# KiCad board Eclipse65.kicad_pcb (continued)
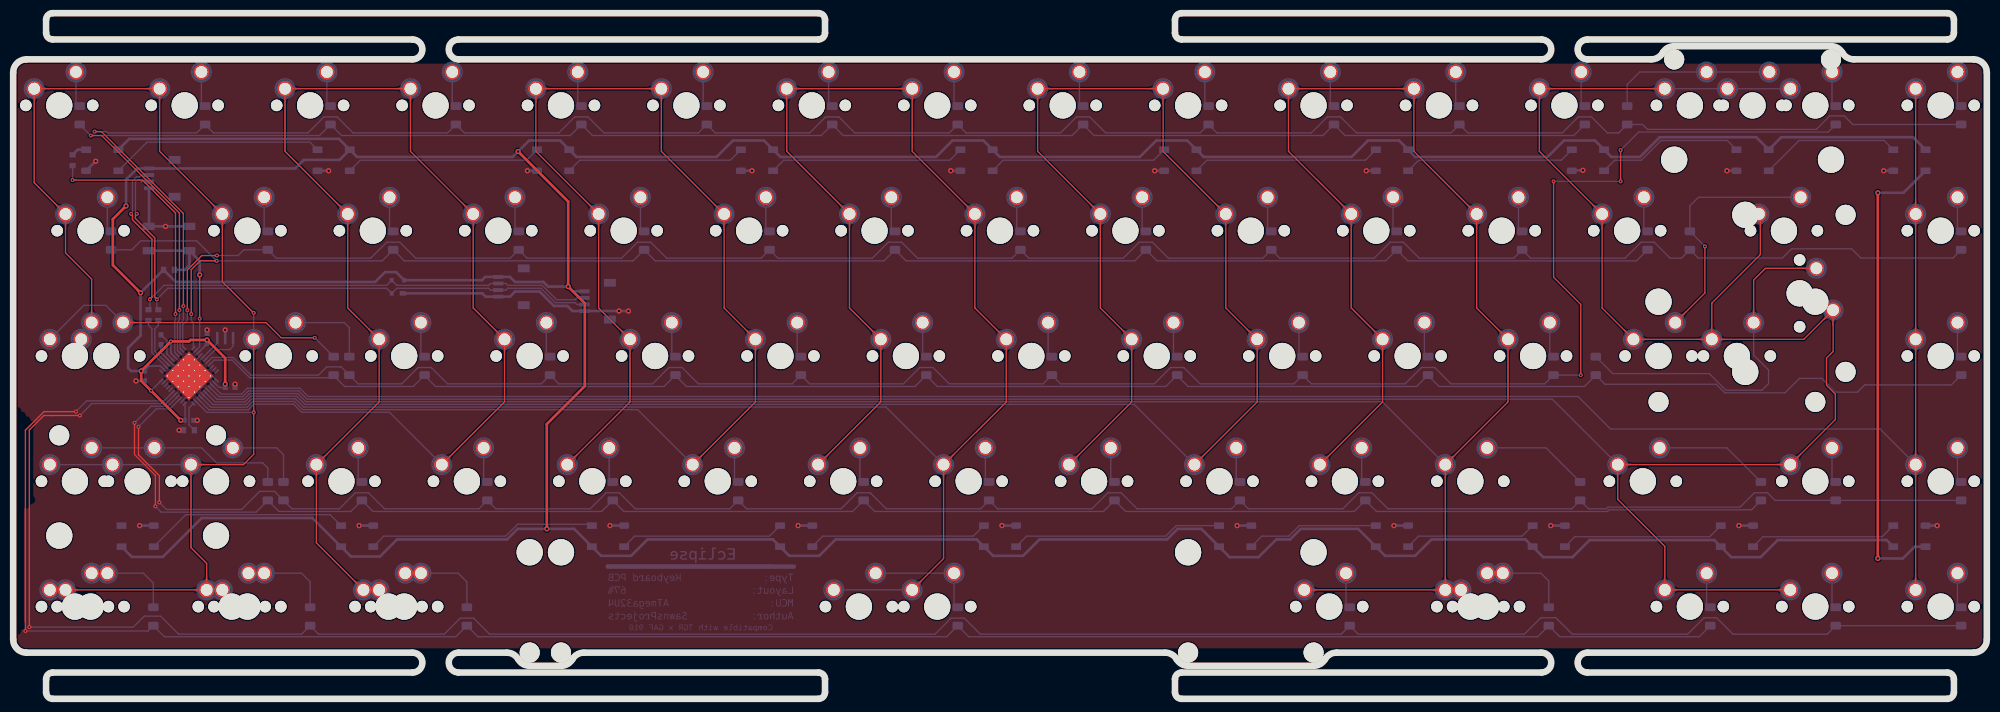
[diagram p0: board, top side]
## Nets (continued)
Net-(RGB1-Pad2): RGB1.2 RGB2.4
Net-(RGB2-Pad2): RGB2.2 RGB3.4
Net-(RGB3-Pad2): RGB3.2 RGB4.4
Net-(RGB4-Pad2): RGB4.2 RGB5.4
Net-(RGB5-Pad2): RGB5.2 RGB6.4
Net-(RGB6-Pad2): RGB6.2 RGB7.4
Net-(RGB7-Pad2): RGB7.2 RGB8.4
Net-(RGB8-Pad2): RGB8.2 RGB9.4
Net-(RGB10-Pad2): RGB10.2
Net-(RGB10-Pad4): RGB10.4 RGB11.2
Net-(RGB11-Pad4): RGB11.4 RGB12.2
Net-(RGB12-Pad4): RGB12.4 RGB13.2
Net-(RGB13-Pad4): RGB13.4 RGB14.2
Net-(RGB14-Pad4): RGB14.4 RGB15.2
Net-(RGB15-Pad4): RGB15.4 RGB16.2
Net-(RGB16-Pad4): RGB16.4 RGB17.2
Net-(RGB17-Pad4): RGB17.4 RGB18.2
Net-(RGB18-Pad4): RGB18.4 RGB20.2
Net-(RGB19-Pad2): RGB19.2 RGB20.4
Net-(RGB19-Pad4): RGB9.2 RGB19.4
Net-(U1-Pad1): U1.1
Net-(U1-Pad16): U1.16 Y1.3
Net-(U1-Pad17): U1.17 Y1.1
Net-(U1-Pad20): U1.20
Net-(U1-Pad21): U1.21
Net-(U1-Pad22): U1.22
Net-(U1-Pad40): U1.40
Net-(U1-Pad41): U1.41
Net-(U1-Pad42): U1.42

## Via types
v1: diameter 0.6, hole 0.3, Top to Bottom, 33 vias
v2: diameter 0.8, hole 0.4, Top to Bottom, 41 vias

## Routing (per net, layer and track width the routed paths; a pad name or vN(x,y) marks a point on that pad's centre or on a via; arc(x,y) is an arc through that point)
+5V: length 840.2
  Top w0.4: v2(32.2,47.84) 32.2,51.81 v2(29.45,54.56) 26.92,54.56 26.7,54.34 v1(23.95,54.34) v2(19.45,49.84) 19.45,48.34 v1(20.95,46.84) v2(25.45,42.34) ; v2(81.05,25.84) 81.05,41.77 86.83,47.55 86.83,60.14 v2(84.29,62.67) 84.29,75.6 v2(76.68,83.21) ; v2(19.34,61.74) 15.14,65.94 15.14,72.94 v2(17.14,74.94)
  Bottom w0.2: v1(20.95,46.84) 22.57,48.47 22.57,48.5 ; U1.24 31.28,47.34 C3.2 ; 26.11,44.97 26.11,42.25
  Bottom w0.25: U1.14 29.45,53.97 ; C2.2 20.7,50.59 22.37,50.59 22.93,50.04 ; 24.69,51.81 23.95,52.55 v1(23.95,54.34) ; C5.2 v2(29.45,54.56)
  Bottom w0.4: v2(17.14,74.94) 17.14,78.94 18.84,80.64 J2.1 42.84,80.64 44.14,81.94 49.57,81.94 RGB2.1 ; RGB20.1 284.54,24.14 267.99,24.14 265.39,21.54 260.94,21.54 RGB18.1 258.34,24.14 239.42,24.14 236.82,21.54 232.37,21.54 RGB17.1 229.67,24.24 215.41,24.24 212.91,21.74 208.36,21.74 RGB16.1 204.26,25.84 195.55,25.84 193.95,24.24 191.84,24.24 189.14,21.54 184.74,21.54 RGB15.1 180.44,25.84 176.85,25.84 175.25,24.24 155.87,24.24 153.38,21.74 148.83,21.74 RGB14.1 146.33,24.24 124.92,24.24 122.42,21.74 117.87,21.74 RGB13.1 115.37,24.24 96.34,24.24 93.84,21.74 89.29,21.74 RGB12.1 85.19,25.84 v2(81.05,25.84) 76.61,25.84 75.01,24.24 58.31,24.24 55.71,21.64 51.29,21.64 RGB11.1 45.44,27.49 28.64,27.49 22.73,21.57 18.02,21.57 RGB10.1 ; R4.1 24.69,63.37 54.97,63.37 56.48,64.87 58.16,64.87 U2.4 71.2,63.65 71.7,64.15 J3.1 75.45,64.15 76.23,63.37 80.55,63.37 81.25,62.67 v2(84.29,62.67) 85.01,61.96 J1.1 ; C4.2 v2(25.45,42.34) ; 22.83,65.22 v2(19.34,61.74) 19.34,55.24 17.45,53.34 17.45,50.3 17.9,49.84 v2(19.45,49.84) C2.2 ; RGB2.1 52.22,82.39 75.86,82.39 v2(76.68,83.21) 78.36,84.89 83.06,84.89 RGB3.1 85.56,82.39 106.82,82.39 109.32,84.89 114.02,84.89 RGB4.1 116.52,82.39 140.16,82.39 142.66,84.89 147.35,84.89 RGB5.1 149.85,82.39 171.11,82.39 173.61,84.89 178.31,84.89 RGB6.1 180.81,82.39 203.26,82.39 205.76,84.89 210.46,84.89 RGB7.1 212.96,82.39 233.03,82.39 235.53,84.89 240.22,84.89 RGB8.1 242.72,82.39 247.07,82.39 250.07,85.39 264.72,85.39 RGB9.1 268.53,85.39 288.54,85.39 RGB19.1 ; RGB2.1 49.47,85.14 17.62,85.14 RGB1.1 ; v2(32.2,47.84) C3.2
GND: length 113.8
  Bottom w0.2: U1.45 23.87,49.09 U1.43 ; U1.45 26.7,46.27 U1.35 ; U1.45 30.24,49.09 U1.23 ; U1.45 25.99,49.09 U1.5 ; U1.45 26.7,50.51 U1.15
  Bottom w0.25: C1.2 22.45,52.64 23.99,51.1
  Bottom w0.3: Y1.2 v2(32.2,56.09) ; C5.1 v2(29.45,56.09)
  Bottom w0.4: RGB9.3 v2(260.28,80.29) ; RGB7.3 v2(205.51,80.29) ; RGB6.3 v2(173.36,80.29) ; RGB5.3 v2(142.4,80.29) ; RGB3.3 v2(78.11,80.29) ; SW1.1 v2(23.14,71.83) SW1.1 ; RGB2.3 v2(47.91,80.29) ; RGB19.3 v2(284.09,80.29) ; RGB18.3 v2(262.09,26.34) ; RGB17.3 v2(233.52,26.34) ; RGB16.3 v2(209.7,26.34) ; RGB15.3 v2(185.89,26.34) ; RGB14.3 v2(150.17,26.34) ; RGB13.3 v2(119.22,26.34) ; RGB12.3 v2(90.64,26.34) ; RGB10.3 v2(19.2,26.34) ; 236.71,80.36 v2(238.4,80.36) ; v2(93.44,58.96) v2(92.01,58.96) J1.4 84.94,58.96 84.17,59.73 82.14,59.73 79.95,61.92 76.23,61.92 75.45,61.15 J3.4 71.75,61.15 71.25,61.65 U2.1 ; J2.4 20.64,71.65 ; C2.1 v2(18.65,48.34) ; RGB20.3 v2(292.19,26.34) ; RGB1.3 v2(12.53,81.74) ; 25.88,40.84 v2(25.2,40.84) ; C3.1 v2(33.7,47.84) ; C4.1 v2(27.95,42.34) ; RGB11.3 v2(52.54,26.34) ; RGB4.3 v2(112.21,80.29)
/M+: length 7.8
  Bottom w0.2: U1.4 23.53,50.82 21.52,52.83 21.52,56.28 22.04,56.8 R2.1 ; 23.6,50.75 23.63,50.75
/M-: length 8.2
  Bottom w0.2: R3.2 20.54,56.8 21.07,56.28 21.07,52.64 23.21,50.5 U1.3 ; 23.28,50.43 23.28,50.39
C0: length 202.3
  Top w0.2: MX80.1 MX67.1 29.38,20.59 27,22.97 MX50.1 34.97,35.61 36.53,37.17 v1(36.53,43.54) MX34.1 ; MX65.2 11.92,63.83 7.95,67.8 MX17.1 3.19,78.48 MX1.1 MX2.1 22.24,83.24 MX18.1 31.77,63.43 v1(36.53,58.67)
  Bottom w0.2: MX49.1 MX31.1 MX50.1 ; U1.32 29.42,43.54 v1(36.53,43.54) ; MX34.1 v1(36.53,58.67)
C1: length 217
  Top w0.2: MX68.1 46.05,23.71 MX51.1 55.58,45.14 MX35.1 50.82,59.43 50.82,73.71 41.29,83.24 MX3.1 MX4.1 60.34,83.24 MX20.1 69.87,59.43 MX36.1 74.63,45.14 MX52.1
  Bottom w0.2: MX52.1 57.15,43.57 43.81,43.57 42.56,44.82 36.57,44.82 35.69,43.94 29.73,43.94 U1.31
C2: length 232.9
  Top w0.2: MX53.1 93.68,45.14 MX37.1 88.92,59.43 MX21.1 79.39,83.24 MX5.1 MX6.1 98.44,83.24 MX22.1 107.97,59.43 MX38.1 112.73,45.14 MX54.1
  Bottom w0.2: U1.30 30.04,44.34 35.53,44.34 36.4,45.22 42.72,45.22 43.97,43.97 94.85,43.97 MX54.1
C3: length 303.7
  Top w0.2: MX55.1 131.78,45.14 MX39.1 127.02,59.43 MX23.1 117.49,83.24 MX7.1 MX8.1 136.54,83.24 MX24.1 146.07,59.43 MX40.1 150.83,45.14 MX56.1 141.3,21.33 MX79.1
  Bottom w0.2: U1.29 30.34,44.74 35.36,44.74 36.24,45.62 42.89,45.62 44.14,44.37 132.55,44.37 MX56.1 ; MX70.1 MX79.1
C4: length 308.6
  Top w0.2: MX58.1 188.93,45.14 MX42.1 184.17,59.43 MX26.1 174.64,83.24 MX10.1 MX9.1 155.59,83.24 MX25.1 165.12,59.43 MX41.1 169.88,45.14 MX57.1
  Bottom w0.2: MX58.1 170.25,44.77 44.31,44.77 43.06,46.02 36.07,46.02 35.2,45.14 30.65,45.14 U1.28
C5: length 387
  Top w0.2: MX59.1 207.98,45.14 MX43.1 203.22,59.43 MX27.1 193.69,83.24 MX11.1 MX12.1 212.74,83.24 MX28.1 222.27,59.43 MX44.1 227.03,45.14 MX60.1 MX16.1 MX64.1
  Bottom w0.2: MX60.1 207.95,45.17 44.47,45.17 43.22,46.42 35.91,46.42 35.03,45.54 30.96,45.54 U1.27
C6: length 450.4
  Top w0.2: MX14.1 MX13.1 231.79,83.24 MX29.1 241.32,59.43 MX83.1 MX45.1 ; MX45.1 257.98,60.18 265.36,67.55 265.36,73.71 ; MX45.1 271.95,54.66 MX84.2 276.4,52.8 275.4,51.8 275.4,47.67 276.75,46.32 276.75,42.47 MX63.1 MX62.1 243.7,30.33 250.84,23.18 MX72.1 MX71.1
  Bottom w0.2: MX14.1 MX46.1 MX15.1 ; MX62.1 233.74,45.57 44.64,45.57 43.39,46.82 35.74,46.82 34.87,45.94 31.26,45.94 U1.26
C7: length 340.7
  Top w0.2: MX86.1 MX90.1 MX89.1 MX88.1 MX85.1
  Bottom w0.2: MX90.1 283.53,41.02 242.6,41.02 237.66,45.97 44.8,45.97 43.55,47.22 35.57,47.22 34.7,46.34 31.57,46.34 U1.25
D+: length 90.9
  Top w0.2: v1(21.82,60.74) 21.52,61.04 21.52,70.08 18.57,73.03 18.57,73.54 v1(18.77,73.74)
  Bottom w0.2: R2.2 21.82,59.39 v1(21.82,60.74) 23.5,62.42 56.71,62.42 U2.2 58.26,62.42 72.22,62.42 72.5,62.15 J3.3 74.82,62.15 75.1,62.42 80.16,62.42 82.35,60.23 85.32,60.23 85.6,59.96 J1.3 ; v1(18.77,73.74) 18.57,73.94 18.57,78.55 18.94,78.92 19.2,78.92 19.48,78.64 J2.3
D-: length 92.8
  Top w0.2: v1(17.92,73.74) 18.12,73.54 18.12,72.85 21.07,69.9 21.07,61.04 v1(20.77,60.74)
  Bottom w0.2: J2.2 19.48,79.64 19.2,79.37 18.75,79.37 18.12,78.73 18.12,73.94 v1(17.92,73.74) ; J1.2 85.6,60.96 85.32,60.68 82.53,60.68 80.34,62.87 75.1,62.87 74.82,63.15 J3.2 72.5,63.15 72.22,62.87 58.26,62.87 U2.3 56.71,62.87 22.9,62.87 v1(20.77,60.74) 20.77,59.39 R3.1
R0: length 276.9
  Top w0.2: v1(11.78,85.64) 13.44,85.64 25.25,73.83 v1(25.25,59.09)
  Bottom w0.2: D13.1 237.01,85.64 202.28,85.64 D11.1 198.91,85.64 164.18,85.64 D9.1 160.81,85.64 126.08,85.64 D7.1 122.71,85.64 87.98,85.64 D5.1 84.61,85.64 49.88,85.64 D3.1 46.51,85.64 v1(11.78,85.64) D1.1 ; v1(25.25,59.09) 25.25,57.53 24.95,57.23 24.95,52.97 U1.9
R1: length 344.2
  Top w0.2: v1(25.85,59.69) 25.85,73.8 13.41,86.24 v1(12.35,86.24)
  Bottom w0.2: D31.1 279.4,87.32 278.1,88.62 275.9,88.62 273.85,86.58 248.2,86.58 247.45,87.32 D14.1 243.84,86.04 242.13,86.04 239.7,88.47 237.7,88.47 235.26,86.04 220.93,86.04 D12.1 218.36,86.04 204.03,86.04 201.6,88.47 199.6,88.47 197.16,86.04 182.83,86.04 D10.1 180.26,86.04 165.93,86.04 163.5,88.47 161.5,88.47 159.06,86.04 144.73,86.04 D8.1 142.16,86.04 127.83,86.04 125.4,88.47 123.4,88.47 120.96,86.04 106.63,86.04 D6.1 104.06,86.04 89.73,86.04 87.3,88.47 85.3,88.47 82.86,86.04 68.53,86.04 D4.1 65.96,86.04 51.63,86.04 49.2,88.47 47.2,88.47 44.76,86.04 30.43,86.04 D2.1 27.86,86.04 14.36,86.04 14.16,86.24 v1(12.35,86.24) ; U1.10 25.35,53.27 25.35,57.06 25.85,57.56 v1(25.85,59.69)
R2: length 259.4
  Top w0.2: v1(27.05,58.49) 27.05,65.24 28.4,66.59 v1(30.91,66.59)
  Bottom w0.2: D29.1 246.54,66.59 211.81,66.59 D27.1 208.44,66.59 173.71,66.59 D25.1 170.34,66.59 135.61,66.59 D23.1 132.24,66.59 97.51,66.59 D21.1 94.14,66.59 59.41,66.59 D19.1 56.04,66.59 v1(30.91,66.59) 27.88,69.62 19.38,69.62 18.03,68.27 D17.1 ; v1(27.05,58.49) 27.05,57.54 27.36,57.23 U1.12
R3: length 303.7
  Top w0.2: v1(26.45,59.09) 26.45,65.21 28.64,67.4 v1(30.95,67.4)
  Bottom w0.2: D32.1 294.6,67.02 280.6,67.02 279.2,68.42 270.1,68.42 268.7,67.02 255.9,67.02 D30.1 253.37,66.99 251.66,66.99 249.22,69.42 247.22,69.42 244.79,66.99 230.46,66.99 D28.1 227.89,66.99 213.56,66.99 211.12,69.42 209.12,69.42 206.69,66.99 192.36,66.99 D26.1 189.79,66.99 175.46,66.99 173.02,69.42 171.02,69.42 168.59,66.99 154.26,66.99 D24.1 151.69,66.99 137.36,66.99 134.92,69.42 132.92,69.42 130.49,66.99 116.16,66.99 D22.1 113.59,66.99 99.26,66.99 96.82,69.42 94.82,69.42 92.39,66.99 78.06,66.99 D20.1 75.49,66.99 61.16,66.99 58.72,69.42 56.72,69.42 54.29,66.99 39.96,66.99 D18.1 35.03,68.27 34.15,67.4 v1(30.95,67.4) ; U1.11 25.75,53.58 25.75,56.89 26.45,57.59 v1(26.45,59.09)
R4: length 279.9
  Bottom w0.2: 214.86,49.17 216.54,47.49 238.63,47.49 D45.1 241.76,47.82 258.66,47.82 259.96,46.52 269.1,46.52 271.3,48.72 274.7,48.72 276.8,46.62 280.1,46.62 281.2,47.72 294.35,47.72 D46.1 ; 62.46,49.17 64.14,47.49 98.85,47.49 D37.1 ; 48.65,49.17 50.33,47.49 60.75,47.49 D35.1 ; 100.56,49.17 102.24,47.49 136.95,47.49 D39.1 ; 138.66,49.17 140.34,47.49 175.05,47.49 D41.1 ; 176.76,49.17 178.44,47.49 213.15,47.49 D43.1 ; U1.19 30.53,51.51 33.24,51.51 35.93,48.82 48.58,48.82
R5: length 307.2
  Top w0.2: v1(233.95,78.67) 233.95,64.1 238.08,59.97 v1(238.08,49.22) ; v1(244.13,83.42) v1(244.13,78.67)
  Bottom w0.2: D15.1 275.65,86.17 246.88,86.17 v1(244.13,83.42) ; v1(244.13,78.67) v1(233.95,78.67) ; U1.18 30.22,51.91 33.41,51.91 36.1,49.22 46.37,49.22 47.63,50.47 49.8,50.47 D34.1 52.39,47.89 59,47.89 61.49,50.37 63.49,50.37 65.97,47.89 80.2,47.89 D36.1 82.87,47.89 97.1,47.89 99.59,50.37 101.59,50.37 104.07,47.89 118.3,47.89 D38.1 120.97,47.89 135.2,47.89 137.69,50.37 139.69,50.37 142.17,47.89 156.4,47.89 D40.1 159.07,47.89 173.3,47.89 175.79,50.37 177.79,50.37 180.27,47.89 194.5,47.89 D42.1 197.17,47.89 211.4,47.89 213.89,50.37 215.89,50.37 218.37,47.89 232.6,47.89 D44.1 v1(238.08,49.22)
R6: length 275.5
  Top w0.2: v1(21.61,29.26) 21.61,33.97 18.43,37.14 v1(18.43,41.96)
  Bottom w0.2: v1(18.43,41.96) 20.96,44.49 23.51,44.49 U1.37 ; v1(21.61,29.26) 22.48,28.39 36.89,28.39 D49.1 40.36,28.49 51.28,28.49 D51.1 54.65,28.49 89.38,28.49 D53.1 92.75,28.49 127.48,28.49 D55.1 130.85,28.49 165.58,28.49 D57.1 168.95,28.49 203.68,28.49 D59.1 207.05,28.49 242.13,28.49 242.38,28.74 264.01,28.74 D62.1
R7: length 314.1
  Top w0.2: v1(22.21,29.86) 22.21,33.94 19.03,37.11 v1(19.03,41.36)
  Bottom w0.2: v1(22.21,29.86) 23.28,28.79 34.69,28.79 37.44,31.54 39.69,31.54 D50.1 42.34,28.89 49.53,28.89 51.96,31.32 53.96,31.32 56.4,28.89 70.73,28.89 D52.1 73.3,28.89 87.63,28.89 90.06,31.32 92.06,31.32 94.5,28.89 108.83,28.89 D54.1 111.4,28.89 125.73,28.89 128.16,31.32 130.16,31.32 132.6,28.89 146.93,28.89 D56.1 149.5,28.89 163.83,28.89 166.26,31.32 168.26,31.32 170.7,28.89 185.03,28.89 D58.1 187.6,28.89 201.93,28.89 204.36,31.32 206.36,31.32 208.8,28.89 236.7,28.89 D60.1 239.27,28.89 241.96,28.89 242.21,29.14 262.26,29.14 264.45,31.32 266.45,31.32 267.6,30.17 D63.1 D47.1 ; v1(19.03,41.36) 21.76,44.09 23.82,44.09 U1.36
R8: length 317.2
  Top w0.2: v1(9.53,43.67) 4.69,43.67 1.86,40.84 v1(1.86,10.31)
  Bottom w0.2: v1(9.53,43.67) 11.14,45.29 22.9,45.29 U1.39 ; v1(1.86,10.31) 20.47,10.31 D65.1 22.97,9.44 67.23,9.44 D67.1 70.6,9.44 141.76,9.44 D69.1 145.13,9.44 231.53,9.44 D68.1 234.9,9.44 256.06,9.44 D71.1
R9: length 360.4
  Top w0.2: v1(10.13,43.07) 4.66,43.07 2.46,40.88 v1(2.46,10.91)
  Bottom w0.2: v1(10.13,43.07) 11.94,44.89 23.21,44.89 U1.38 ; D48.1 D72.1 275.5,9.82 261.2,9.82 258.7,12.32 256.8,12.32 254.32,9.84 236.78,9.84 234.3,12.32 232,12.32 229.52,9.84 204.26,9.84 D16.1 201.7,9.84 146.88,9.84 144.45,12.27 142.45,12.27 140.01,9.84 72.35,9.84 69.91,12.27 67.91,12.27 65.48,9.84 46.38,9.84 D66.1 43.82,9.84 25.12,9.84 22.38,12.57 19.91,12.57 18.24,10.91 v1(2.46,10.91)
RGB: length 2.4
  Bottom w0.4: RGB1.4 9.8,83.49 R5.2
Net-(C1-Pad1): length 4.7
  Bottom w0.2: 24.34,51.45 23.35,52.44 23.35,54.44 C1.1
Net-(D1-Pad2): length 5.3
  Bottom w0.2: MX1.2 9.54,90.04
Net-(D2-Pad2): length 5.3
  Bottom w0.2: MX2.2 28.59,90.04
Net-(D3-Pad2): length 5.3
  Bottom w0.2: MX3.2 47.64,90.04
Net-(D4-Pad2): length 5.3
  Bottom w0.2: MX4.2 66.69,90.04
Net-(D5-Pad2): length 5.3
  Bottom w0.2: MX5.2 85.74,90.04
Net-(D6-Pad2): length 5.3
  Bottom w0.2: MX6.2 104.79,90.04
Net-(D7-Pad2): length 5.3
  Bottom w0.2: MX7.2 123.84,90.04
Net-(D8-Pad2): length 5.3
  Bottom w0.2: MX8.2 142.89,90.04
Net-(D9-Pad2): length 5.3
  Bottom w0.2: MX9.2 161.94,90.04
Net-(D10-Pad2): length 5.3
  Bottom w0.2: MX10.2 180.99,90.04
Net-(D11-Pad2): length 5.3
  Bottom w0.2: MX11.2 200.04,90.04
Net-(D12-Pad2): length 5.3
  Bottom w0.2: MX12.2 219.09,90.04
Net-(D13-Pad2): length 5.3
  Bottom w0.2: MX13.2 238.14,90.04
Net-(D14-Pad2): length 25.7
  Bottom w0.2: MX46.2 MX14.2 247.03,95.3 245.13,93.4 D14.2
Net-(D15-Pad2): length 5.3
  Bottom w0.2: MX15.2 276.24,90.04
Net-(D16-Pad2): length 5.1
  Bottom w0.2: MX64.2 202.42,14
Net-(D17-Pad2): length 5.3
  Bottom w0.2: MX17.2 14.3,70.98
Net-(D18-Pad2): length 5
  Bottom w0.2: MX18.2 38.12,71.27
Net-(D19-Pad2): length 5
  Bottom w0.2: MX19.2 57.17,71.27
Net-(D20-Pad2): length 5
  Bottom w0.2: MX20.2 76.22,71.27
Net-(D21-Pad2): length 5
  Bottom w0.2: 95.27,76.25 95.27,71.27
Net-(D22-Pad2): length 5
  Bottom w0.2: MX22.2 114.32,71.27
Net-(D23-Pad2): length 5
  Bottom w0.2: MX23.2 133.37,71.27
Net-(D24-Pad2): length 5
  Bottom w0.2: MX24.2 152.42,71.27
Net-(D25-Pad2): length 5
  Bottom w0.2: MX25.2 171.47,71.27
Net-(D26-Pad2): length 5
  Bottom w0.2: 190.52,76.25 190.52,71.27
Net-(D27-Pad2): length 5
  Bottom w0.2: MX27.2 209.57,71.27
Net-(D28-Pad2): length 5
  Bottom w0.2: 228.62,76.25 228.62,71.27
Net-(D29-Pad2): length 5
  Bottom w0.2: 247.67,76.25 247.67,71.27
Net-(D30-Pad2): length 37.9
  Top w0.2: v1(256.93,68.79) 256.93,61.71 MX83.2
  Bottom w0.2: MX30.2 255.96,76.25 254.65,74.95 D30.2 v1(256.93,68.79)
Net-(D31-Pad2): length 5.3
  Bottom w0.2: MX85.2 295.29,90.03
Net-(D32-Pad2): length 5.2
  Bottom w0.2: MX88.2 295.29,71.03
Net-(D33-Pad2): length 48.5
  Top w0.2: v1(45.8,54.89) 40.7,54.89 38.39,57.2 MX33.2
  Bottom w0.2: MX33.2 14.06,59.82 10.73,59.82 MX65.1 ; D33.2 v1(45.8,54.89)
Net-(D34-Pad2): length 12.9
  Bottom w0.2: D34.2 51.05,56.45 50.3,57.2 MX34.2
Net-(D35-Pad2): length 5.1
  Bottom w0.2: MX35.2 61.93,52.06
Net-(D36-Pad2): length 5.1
  Bottom w0.2: MX36.2 80.98,52.06
Net-(D37-Pad2): length 5.1
  Bottom w0.2: MX37.2 100.03,52.06
Net-(D38-Pad2): length 5.1
  Bottom w0.2: MX38.2 119.08,52.06
Net-(D39-Pad2): length 5.1
  Bottom w0.2: MX39.2 138.13,52.06
Net-(D40-Pad2): length 5.1
  Bottom w0.2: MX40.2 157.18,52.06
Net-(D41-Pad2): length 5.1
  Bottom w0.2: MX41.2 176.23,52.06
Net-(D42-Pad2): length 5.1
  Bottom w0.2: MX42.2 195.28,52.06
Net-(D43-Pad2): length 5.1
  Bottom w0.2: MX43.2 214.33,52.06
Net-(D44-Pad2): length 5.1
  Bottom w0.2: MX44.2 233.38,52.06
Net-(D45-Pad2): length 55.7
  Top w0.2: MX45.2 264.33,63.66 266.14,65.46 MX84.1
  Bottom w0.2: D45.2 242.94,49.45 257.6,49.45 260.13,46.92 265.6,46.92 266.6,47.92 266.6,50 264.33,52.27 MX45.2
Net-(D46-Pad2): length 5.2
  Bottom w0.2: MX89.2 295.29,52.03
Net-(D47-Pad2): length 5.1
  Bottom w0.2: MX90.2 295.29,33.03
Net-(D48-Pad2): length 5
  Bottom w0.2: MX86.2 295.29,14.13
Net-(D49-Pad2): length 30.1
  Bottom w0.2: MX49.2 MX31.2 28.62,38.15 30.9,35.87 37.9,35.87 38.67,35.1 D49.2
Net-(D50-Pad2): length 12.3
  Bottom w0.2: MX50.2 40.02,38.15 41.06,37.12 D50.2
Net-(D51-Pad2): length 5.1
  Bottom w0.2: MX51.2 52.4,33.08
Net-(D52-Pad2): length 5.1
  Bottom w0.2: MX52.2 71.45,33.08
Net-(D53-Pad2): length 5.1
  Bottom w0.2: MX53.2 90.5,33.08
Net-(D54-Pad2): length 5.1
  Bottom w0.2: MX54.2 109.55,33.08
Net-(D55-Pad2): length 5.1
  Bottom w0.2: MX55.2 128.6,33.08
Net-(D56-Pad2): length 5.1
  Bottom w0.2: MX56.2 147.65,33.08
Net-(D57-Pad2): length 5.1
  Bottom w0.2: MX57.2 166.7,33.08
Net-(D58-Pad2): length 5.1
  Bottom w0.2: MX58.2 185.75,33.08
Net-(D59-Pad2): length 5.1
  Bottom w0.2: MX59.2 204.8,33.08
Net-(D60-Pad2): length 16.3
  Bottom w0.2: MX60.2 232.8,38.15 D60.2
Net-(D62-Pad2): length 17.5
  Bottom w0.2: MX62.2 260.27,38.15 D62.2
Net-(D63-Pad2): length 5.2
  Bottom w0.2: MX63.2 276.24,32.94
Net-(D65-Pad2): length 11.3
  Bottom w0.2: MX80.2 19.78,19.1 21.29,17.6 D65.2
Net-(D66-Pad2): length 11.4
  Bottom w0.2: D66.2 45.1,17.78 43.78,19.1 MX82.2
Net-(D67-Pad2): length 11.4
  Bottom w0.2: MX81.2 67.58,19.1 68.91,17.77 D67.2
Net-(D68-Pad2): length 11.5
  Bottom w0.2: MX69.2 232.02,19.1 233.22,17.91 D68.2
Net-(D69-Pad2): length 17.2
  Bottom w0.2: 142.89,13.79 MX79.2 MX70.2
Net-(D71-Pad2): length 5.2
  Bottom w0.2: MX72.2 257.19,13.87
Net-(D72-Pad2): length 5
  Bottom w0.2: MX71.2 276.24,14.08
Net-(R1-Pad2): length 4.7
  Bottom w0.2: U1.33 26.7,44.23 26.7,41.67 R1.2
Net-(R4-Pad2): length 27.1
  Top w0.2: v2(28.33,64.47) v1(28.33,57.8)
  Bottom w0.2: v1(28.33,57.8) 28.33,53.55 U1.13
  Bottom w0.4: v2(28.33,64.47) 28.33,66.58 SW1.2 ; SW1.2 26.77,65.94 26.05,65.22 R4.2 ; SW1.2 SW1.2
Net-(R5-Pad1): length 41.7
  Top w0.2: v1(24.65,58.49) 24.65,73.87 19.64,78.87 v1(9.03,78.87)
  Bottom w0.2: v1(24.65,58.49) 24.65,57.49 24.55,57.39 24.55,52.66 U1.8 ; R5.1 v1(9.03,78.87)
Net-(RGB1-Pad2): length 32.5
  Bottom w0.2: RGB2.4 45.07,84.64 20.32,84.64 RGB1.2
Net-(RGB2-Pad2): length 29.8
  Bottom w0.2: RGB2.2 52.72,81.89 77.96,81.89 RGB3.4
Net-(RGB3-Pad2): length 27.4
  Bottom w0.2: RGB3.2 86.06,81.89 108.92,81.89 RGB4.4
Net-(RGB4-Pad2): length 29.8
  Bottom w0.2: RGB5.4 142.25,81.89 117.02,81.89 RGB4.2
Net-(RGB5-Pad2): length 27.4
  Bottom w0.2: RGB6.4 173.21,81.89 150.35,81.89 RGB5.2
Net-(RGB6-Pad2): length 28.6
  Bottom w0.2: RGB7.4 205.36,81.89 181.31,81.89 RGB6.2
Net-(RGB7-Pad2): length 26.2
  Bottom w0.2: RGB8.4 235.12,81.89 213.46,81.89 RGB7.2
Net-(RGB8-Pad2): length 22.6
  Bottom w0.2: RGB9.4 260.33,84.89 250.28,84.89 247.28,81.89 243.22,81.89 RGB8.2
Net-(RGB10-Pad4): length 31.1
  Bottom w0.2: RGB10.4 26.21,27.99 48.14,27.99 RGB11.2
Net-(RGB11-Pad4): length 34.1
  Bottom w0.2: 87.35,26.54 76.61,26.54 74.81,24.74 56.29,24.74 RGB11.4
Net-(RGB12-Pad4): length 25
  Bottom w0.2: RGB12.4 94.39,24.74 114.87,24.74 RGB13.2
Net-(RGB13-Pad4): length 27.4
  Bottom w0.2: RGB13.4 122.97,24.74 145.83,24.74 RGB14.2
Net-(RGB14-Pad4): length 32.1
  Bottom w0.2: RGB15.2 176.64,26.34 175.04,24.74 153.93,24.74 RGB14.4
Net-(RGB15-Pad4): length 20.2
  Bottom w0.2: RGB15.4 189.64,24.74 193.74,24.74 195.34,26.34 RGB16.2
Net-(RGB16-Pad4): length 20.2
  Bottom w0.2: RGB16.4 213.46,24.74 229.17,24.74 RGB17.2
Net-(RGB17-Pad4): length 25
  Bottom w0.2: RGB18.2 257.64,24.64 237.17,24.64 RGB17.4
Net-(RGB18-Pad4): length 22.6
  Bottom w0.2: RGB18.4 265.74,24.64 283.84,24.64 RGB20.2
Net-(RGB19-Pad2): length 72.2
  Top w0.4: v2(283.19,21.34) v2(283.19,76.94)
  Bottom w0.4: v2(283.19,76.94) 287.09,76.94 RGB19.2 ; RGB20.4 288.79,23.14 286.99,21.34 v2(283.19,21.34)
Net-(RGB19-Pad4): length 21.4
  Bottom w0.2: RGB9.2 271.23,84.89 284.14,84.89 RGB19.4
Net-(U1-Pad16): length 3.9
  Bottom w0.2: Y1.3 31,54.1 U1.16
Net-(U1-Pad17): length 6.4
  Bottom w0.2: U1.17 30.7,53.09 32.88,53.09 33.4,53.62 Y1.1

## Copper pours and planes (outline as drawn; the poured copper is in the pictures)
+5V on Bottom: 258.5,23.7 258.87,22.98 259.52,22.96 259.51,23.61 258.79,23.98
+5V on Bottom: 284.7,23.7 285.07,22.98 285.71,22.96 285.7,23.61 284.98,23.98
+5V on Bottom: 260.19,22.58 259.82,23.3 259.17,23.32 259.18,22.67 259.9,22.3
+5V on Bottom: 267.18,84.33 266.46,83.96 266.45,83.31 267.1,83.33 267.47,84.05
+5V on Bottom: 289.6,84.05 289.97,83.33 290.61,83.31 290.6,83.96 289.88,84.33
+5V on Bottom: 50.28,84.05 50.65,83.33 51.3,83.31 51.29,83.96 50.56,84.33
+5V on Bottom: 16.53,84.33 15.81,83.96 15.8,83.31 16.45,83.33 16.82,84.05
+5V on Bottom: 50.56,82.65 51.29,83.02 51.3,83.67 50.65,83.65 50.28,82.93
+5V on Bottom: 229.93,23.7 230.3,22.98 230.95,22.96 230.93,23.61 230.21,23.98
+5V on Bottom: 183.99,22.58 183.62,23.3 182.97,23.32 182.98,22.67 183.7,22.3
+5V on Bottom: 206.11,23.7 206.48,22.98 207.13,22.96 207.12,23.61 206.4,23.98
+5V on Bottom: 148.27,22.58 147.9,23.3 147.25,23.32 147.26,22.67 147.98,22.3
+5V on Bottom: 182.3,23.7 182.67,22.98 183.32,22.96 183.31,23.61 182.59,23.98
+5V on Bottom: 146.58,23.7 146.95,22.98 147.6,22.96 147.59,23.61 146.87,23.98
+5V on Bottom: 115.63,23.7 116,22.98 116.65,22.96 116.63,23.61 115.91,23.98
+5V on Bottom: 88.74,22.58 88.37,23.3 87.72,23.32 87.73,22.67 88.45,22.3
+5V on Bottom: 17.3,22.58 16.93,23.3 16.28,23.32 16.29,22.67 17.01,22.3
+5V on Bottom: 48.95,23.7 49.32,22.98 49.97,22.96 49.96,23.61 49.24,23.98
+5V on Bottom: 87.05,23.7 87.42,22.98 88.07,22.96 88.06,23.61 87.34,23.98
+5V on Bottom: 50.64,22.58 50.27,23.3 49.62,23.32 49.63,22.67 50.35,22.3
+5V on Bottom: 83.62,84.05 83.99,83.33 84.64,83.31 84.62,83.96 83.9,84.33
+5V on Bottom: 51.96,82.93 51.59,83.65 50.95,83.67 50.96,83.02 51.68,82.65
+5V on Bottom: 265.78,84.05 266.15,83.33 266.8,83.31 266.79,83.96 266.07,84.33
+5V on Bottom: 85.3,82.93 84.93,83.65 84.28,83.67 84.3,83.02 85.02,82.65
+5V on Bottom: 116.26,82.93 115.89,83.65 115.24,83.67 115.25,83.02 115.97,82.65
+5V on Bottom: 149.59,82.93 149.23,83.65 148.58,83.67 148.59,83.02 149.31,82.65
+5V on Bottom: 180.55,82.93 180.18,83.65 179.53,83.67 179.55,83.02 180.27,82.65
+5V on Bottom: 212.7,82.93 212.33,83.65 211.68,83.67 211.69,83.02 212.41,82.65
+5V on Bottom: 242.46,82.93 242.09,83.65 241.45,83.67 241.46,83.02 242.18,82.65
+5V on Bottom: 114.57,84.05 114.94,83.33 115.59,83.31 115.58,83.96 114.86,84.33
+5V on Bottom: 147.91,84.05 148.28,83.33 148.93,83.31 148.92,83.96 148.19,84.33
+5V on Bottom: 178.87,84.05 179.24,83.33 179.89,83.31 179.87,83.96 179.15,84.33
+5V on Bottom: 211.01,84.05 211.38,83.33 212.03,83.31 212.02,83.96 211.3,84.33
+5V on Bottom: 240.78,84.05 241.15,83.33 241.8,83.31 241.79,83.96 241.06,84.33
+5V on Bottom: 117.31,22.58 116.94,23.3 116.29,23.32 116.3,22.67 117.03,22.3
+5V on Bottom: 207.8,22.58 207.43,23.3 206.78,23.32 206.79,22.67 207.51,22.3
+5V on Bottom: 231.61,22.58 231.24,23.3 230.59,23.32 230.6,22.67 231.33,22.3
GND on Top: 306.64,7.67 -5.61,7.67 -4.98,96.57 307.27,96.57
GND on Bottom: 291.43,26.54 290.66,26.79 290.19,26.34 290.66,25.89 291.43,26.14
GND on Bottom: 11.63,81.13 10.91,80.76 10.9,80.11 11.55,80.13 11.92,80.85
GND on Bottom: 20.44,72.74 20.13,72.17 20.52,71.56 21.1,71.97 20.84,72.74
GND on Bottom: 53.7,26.14 54.48,25.89 54.94,26.34 54.48,26.79 53.7,26.54
GND on Bottom: 111.51,80.49 110.73,80.74 110.27,80.29 110.73,79.84 111.51,80.09
GND on Bottom: 25.68,71.63 26.53,71.34 27.04,71.83 26.53,72.33 25.68,72.03
GND on Bottom: 21.66,72.03 20.81,72.33 20.29,71.83 20.81,71.34 21.66,71.63
GND on Bottom: 25.75,45.18 25.85,45.28 25.95,45.37 26.05,45.46 26.14,45.55 26.23,45.63 26.32,45.71 26.41,45.78 26.49,45.86 26.58,45.92 26.66,45.99 26.74,46.05 26.82,46.11 26.9,46.17 28.04,46.89 26.7,50.38 25.36,46.89 25.4,46.87 25.43,46.84 25.47,46.81 25.5,46.78 25.54,46.74 25.57,46.7 25.61,46.66 25.64,46.62 25.67,46.57 25.7,46.52 25.73,46.47 25.76,46.41 25.78,46.36 25.81,46.3 25.83,46.24 25.84,46.18 25.86,46.12 25.87,46.06 25.87,45.99 25.87,45.93 25.87,45.87 25.86,45.81 25.85,45.74 25.84,45.68 25.81,45.62 25.79,45.56 25.75,45.49 25.71,45.44 25.67,45.38 25.61,45.32
GND on Bottom: 28.35,52.3 28.29,52.24 28.22,52.18 28.16,52.13 28.09,52.08 28.03,52.03 27.96,51.99 27.9,51.95 27.83,51.92 27.77,51.88 27.7,51.85 27.64,51.83 27.58,51.8 27.51,51.78 27.45,51.76 27.39,51.75 27.33,51.73 26.66,51.67 26.21,47.9 28.53,50.9 28.28,51.43 28.28,51.48 28.27,51.52 28.27,51.57 28.27,51.62 28.27,51.67 28.28,51.72 28.28,51.77 28.3,51.83 28.31,51.88 28.33,51.92 28.36,51.97 28.38,52.02 28.42,52.07 28.45,52.12 28.49,52.16
GND on Bottom: 30.97,48.5 30.88,48.58 30.8,48.66 30.72,48.74 30.63,48.81 30.55,48.88 30.46,48.95 30.38,49.01 30.3,49.07 30.22,49.13 29.36,49.71 29.32,49.75 29.27,49.79 29.24,49.82 29.2,49.86 29.17,49.89 29.15,49.93 29.13,49.96 29.11,50 25.41,49.09 29.11,48.19 29.12,48.21 29.14,48.24 29.17,48.27 29.19,48.3 29.23,48.33 29.27,48.36 29.31,48.4 29.36,48.43 29.41,48.46 29.46,48.48 29.52,48.51 29.58,48.54 29.64,48.56 29.71,48.58 29.78,48.6 29.85,48.62 29.92,48.63 29.99,48.64 30.06,48.64 30.13,48.64 30.21,48.64 30.28,48.63 30.35,48.62 30.42,48.6 30.5,48.58 30.57,48.55 30.63,48.51 30.7,48.47 30.77,48.42 30.83,48.36
GND on Bottom: 23.85,51.1 23.89,51.05 23.94,51 23.98,50.94 24.02,50.89 24.05,50.84 24.08,50.78 24.11,50.73 24.13,50.67 24.16,50.62 24.17,50.56 24.19,50.51 24.2,50.45 24.22,50.4 24.2,49.71 27.77,48.38 25.18,51.17 24.59,51 24.55,51 24.5,51.01 24.45,51.01 24.4,51.02 24.35,51.03 24.31,51.04 24.26,51.06 24.21,51.08 24.16,51.11 24.12,51.13 24.07,51.17 24.03,51.2 23.99,51.24
GND on Bottom: 22.93,48.01 22.98,48.06 23.04,48.11 23.1,48.15 23.16,48.18 23.22,48.21 23.29,48.23 23.35,48.25 23.41,48.26 23.48,48.27 23.54,48.27 23.6,48.27 23.66,48.26 23.73,48.25 23.79,48.24 23.85,48.22 23.91,48.2 23.96,48.18 24.02,48.15 24.07,48.13 24.12,48.1 24.18,48.07 24.22,48.03 24.27,48 24.31,47.97 24.35,47.93 24.39,47.9 24.42,47.86 24.45,47.83 24.48,47.79 24.5,47.76 27.99,49.09 24.5,50.43 23.77,49.29 23.72,49.21 23.66,49.13 23.6,49.05 23.53,48.97 23.46,48.89 23.39,48.8 23.31,48.71 23.24,48.63 23.15,48.53 23.07,48.44 22.98,48.35 22.88,48.25 22.78,48.15
GND on Bottom: 78.57,80.09 79.34,79.84 79.81,80.29 79.34,80.74 78.57,80.49
GND on Bottom: 142.86,80.09 143.64,79.84 144.1,80.29 143.64,80.74 142.86,80.49
GND on Bottom: 173.82,80.09 174.59,79.84 175.06,80.29 174.59,80.74 173.82,80.49
GND on Bottom: 205.97,80.09 206.74,79.84 207.21,80.29 206.74,80.74 205.97,80.49
GND on Bottom: 260.74,80.09 261.51,79.84 261.98,80.29 261.51,80.74 260.74,80.49
GND on Bottom: 47.21,80.49 46.44,80.74 45.97,80.29 46.44,79.84 47.21,80.09
GND on Bottom: 20.37,26.14 21.14,25.89 21.61,26.34 21.14,26.79 20.37,26.54
GND on Bottom: 91.8,26.14 92.58,25.89 93.04,26.34 92.58,26.79 91.8,26.54
GND on Bottom: 120.38,26.14 121.15,25.89 121.62,26.34 121.15,26.79 120.38,26.54
GND on Bottom: 151.34,26.14 152.11,25.89 152.58,26.34 152.11,26.79 151.34,26.54
GND on Bottom: 187.05,26.14 187.83,25.89 188.29,26.34 187.83,26.79 187.05,26.54
GND on Bottom: 210.87,26.14 211.64,25.89 212.11,26.34 211.64,26.79 210.87,26.54
GND on Bottom: 234.68,26.14 235.45,25.89 235.92,26.34 235.45,26.79 234.68,26.54
GND on Bottom: 263.25,26.14 264.03,25.89 264.49,26.34 264.03,26.79 263.25,26.54
GND on Bottom: 237.7,80.56 236.88,80.77 236.47,80.26 237,79.87 237.7,80.16
GND on Bottom: 284.55,80.09 285.32,79.84 285.79,80.29 285.32,80.74 284.55,80.49
